# Altium PCB PCB_v3.PcbDoc (part 4 of 7)
Units mil, origin at the board's own origin, x right, y up, seen from the top; angles counter-clockwise.
Board outline 17000 x 5250 mil, 4 copper layers (Top Side, Ground Layer, Power Layer, Bottom Side), stack 33.2 mil thick; 591 components, 525 nets, 2570 pads, 902 vias.
Unrouted connection lines stored in the file: 119.
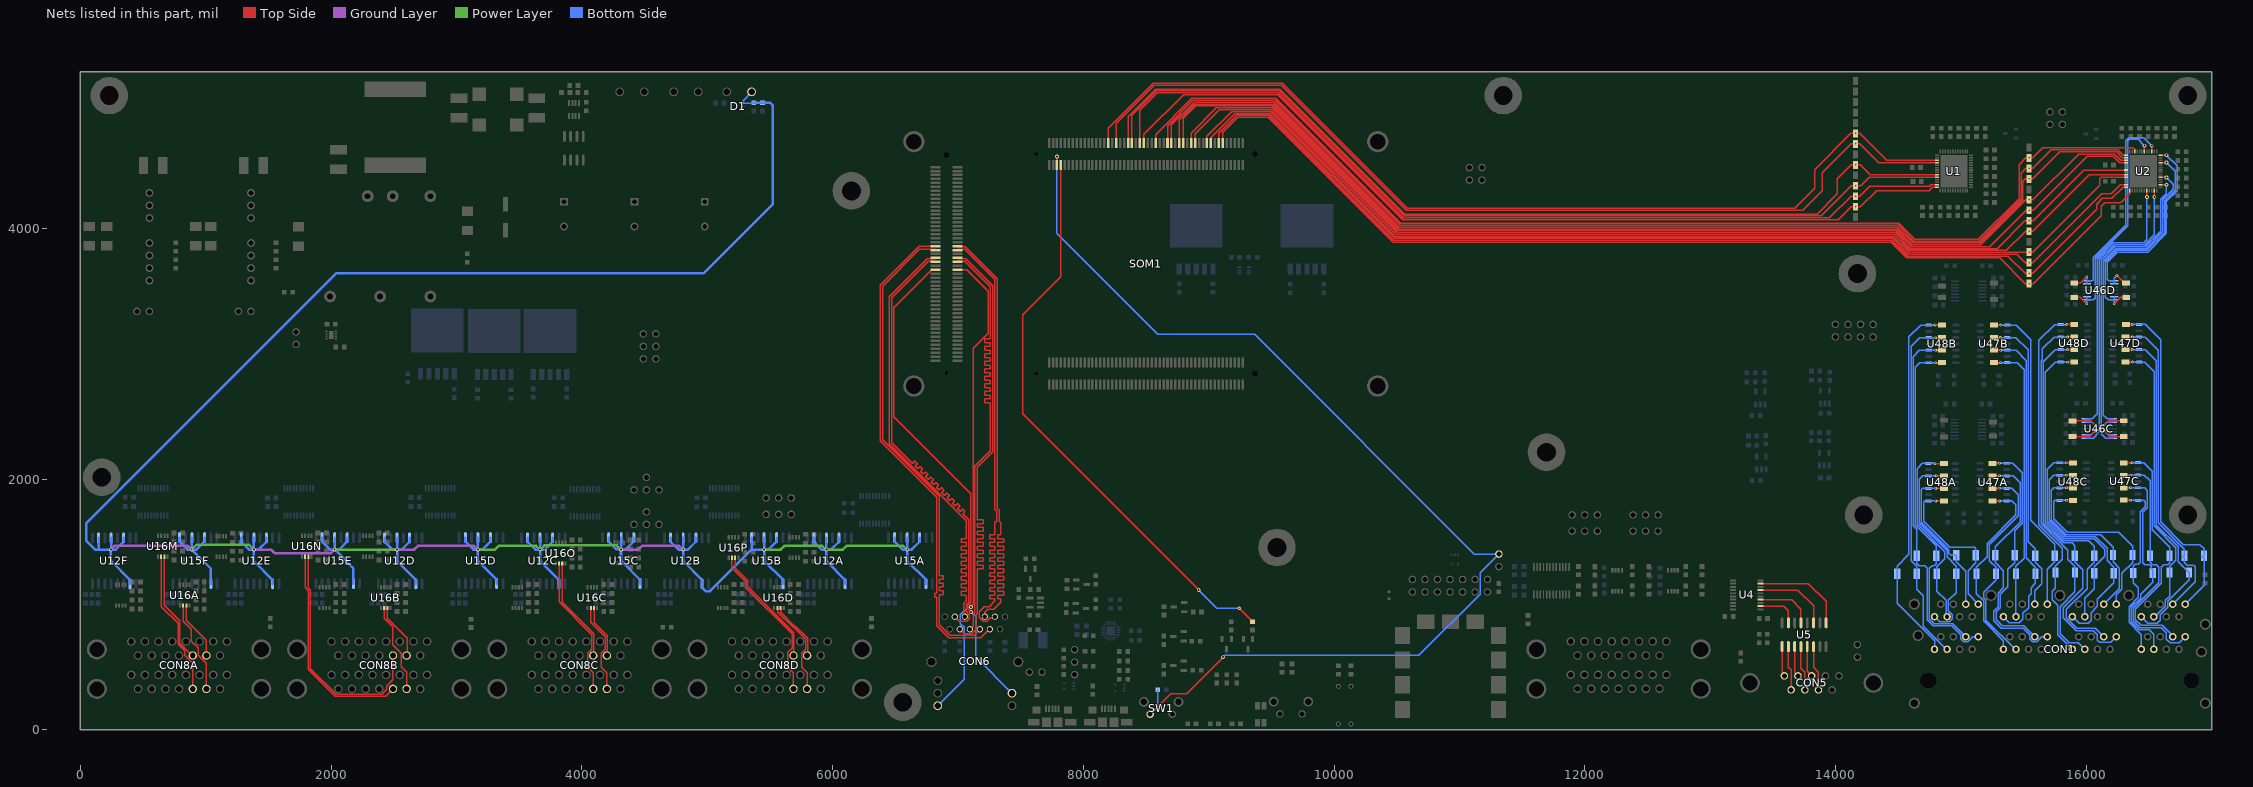
[diagram p6: the nets of this part, all layers, seen from the top]

## Via types
v1: diameter 30, hole 15, Top Side to Bottom Side, 586 vias
v2: diameter 22, hole 12, Top Side to Bottom Side, 248 vias
v3: diameter 25, hole 15, Top Side to Bottom Side, 30 vias
v4: diameter 60, hole 30, Top Side to Bottom Side, 29 vias
v5: diameter 50, hole 28, Top Side to Bottom Side, 7 vias
v6: diameter 40, hole 20, Top Side to Bottom Side, 2 vias

## Nets (pads, with @x,y where several pads share a name; then routed paths per layer and width w, separated by ;. In a path a pad name is that pad's centre, name@x,y a point inside that pad or via, vN(x,y) a via of type N, cw(c..) or ccw(c..) an arc to the next point about the centre after c; other vN are vias at no path point) (continued)
ADC1_SDO3: SOM1.JX1-31 TP21.1 U1.29 | length 7713.9
  Top Side w10: SOM1.JX1-31@8199.09,4680 8199.09,4798.2 8557.89,5157 9586.49,5157 10583.49,4160 13675,4160 13835,4320 13835,4470 14123.5,4758.5 v2(14160,4758.5) 14194.57,4758.5 14407.95,4545.12 U1.29@14809,4545.12
ADC1_SDO4: SOM1.JX1-35 TP22.1 U1.30 | length 7611.3
  Top Side w10: SOM1.JX1-35@8262.09,4680 8262.09,4839.98 8564.1,5142 9580.28,5142 10577.28,4145 13740,4145 13895,4300 13895,4445 14124.94,4674.94 v2(14160,4674.94) 14195.06,4674.94 14344.57,4525.43 U1.30@14809,4525.43
ADC1_SDO5: SOM1.JX1-41 TP23.1 U1.35 | length 7434.9
  Top Side w10: SOM1.JX1-41@8356.57,4680 8356.57,4892.04 8576.53,5112 9567.85,5112 10564.85,4115 13853.11,4115 14015,4276.89 14015,4396.69 14126.12,4507.81 v2(14160,4507.81) 14196.72,4507.81 14277.53,4427.01 U1.35@14809,4427.01
ADC1_SDO6: SOM1.JX1-43 TP24.1 U1.36 | length 7264.2
  Top Side w10: SOM1.JX1-43@8388.07,4680 8388.07,4902.33 8582.74,5097 9561.64,5097 10558.64,4100 13885,4100 14125.69,4340.69 v2(14160,4340.69) 14202.73,4340.69 14269.37,4407.32 U1.36@14809,4407.32
ADC1_SDO7: SOM1.JX1-47 TP25.1 U1.39 | length 7201.2
  Top Side w10: SOM1.JX1-47@8451.06,4680 8451.06,4944.11 8588.96,5082 9555.43,5082 10552.43,4085 13952.43,4085 14124.56,4257.12 v2(14160,4257.12) 14194.6,4257.12 14272.47,4335 14746.45,4335 14759.72,4348.27 U1.39@14809,4348.27
ADC1_SDO8: SOM1.JX1-49 TP26.1 U1.40 | length 7048
  Top Side w10: SOM1.JX1-49@8482.56,4680 8482.56,4750.24 8799.32,5067 9549.21,5067 10546.21,4070 14021.91,4070 14125.48,4173.56 v2(14160,4173.56) 14198.56,4173.56 14327.81,4302.81 14747.23,4302.81 14773,4328.58 U1.40@14809,4328.58
ADC2_CLKOUT: SOM1.JX1-73 TP29.1 U2.33 | length 8347.2
  Top Side w10: SOM1.JX1-73@8860.51,4680 8860.51,4760.51 9062,4962 9505.72,4962 10502.72,3965 14475.23,3965 14600.84,3839.39 15289.39,3839.39 15511.5,4061.5 v2(15545,4061.5) 15576.5,4061.5 15981.38,4466.38 U2.33@16319,4466.38
ADC2_CNV: SOM1.JX1-55 TP27.1 U2.24 | length 8948.2
  Top Side w10: SOM1.JX1-55@8577.05,4680 8577.05,4747.8 8866.24,5037 9536.79,5037 10533.79,4040 14506.29,4040 14631.9,3914.39 15140.75,3914.39 15465.16,4238.8 15465.16,4510.16 15518,4563 v2(15545,4563) 15573,4563 15655,4645 16372.42,4645 16386.1,4631.31 U2.24@16386.1,4612.04
ADC2_IN1: TP11C.1 U2.48 U46C.13 U46C.14 | length 2507.4
  Top Side w10: TP11C.1@15890,2465 16037.54,2465 v2(16073,2429.54) ; v1(16484.53,4250) U2.48@16484.53,4301.04
  Bottom Side w10: v2(16073,2429.54) 16047.41,2455.13 U46C.13@15995.75,2455.13 U46C.14@15995.75,2480.72 16047.24,2480.72 16090,2520 16090,3730 16090,3758.64 16216.36,3885 16459.18,3885 16484.53,3910.35 v1(16484.53,4250)
ADC2_IN2: TP7C.1 U2.51 U46C.8 U46C.9 | length 2695.8
  Top Side w10: TP7C.1@15890.16,2340 16028,2340 v2(16073,2385) ; v1(16543.58,4250) U2.51@16543.58,4301.04
  Bottom Side w10: v2(16073,2385) 16040.77,2352.77 U46C.9@15995.75,2352.77 U46C.8@15995.75,2327.18 16055.64,2327.18 16105,2376.54 16105,2391.7 16105,3730 16105,3752.43 16222.57,3870 16465.39,3870 16543.58,3948.19 v1(16543.58,4250)
ADC2_IN3: TP5D.1 U2.11 U46D.6 U46D.7 | length 1778.6
  Top Side w10: v2(16223.82,3398.82) 16275.17,3450.17 TP5D.1@16320,3450.17 ; U2.11@16591,4525.43 v1(16640,4525.43)
  Bottom Side w10: v2(16223.82,3398.82) U46D.7@16223.82,3429.71 ; U46D.6@16223.82,3455.3 U46D.7@16223.82,3429.71 ; v1(16640,4525.43) 16641.1,4525.43 16710,4456.54 16710,4306.46 16625.16,4221.62 16625.16,3966.13 16484.03,3825 16242.26,3825 16153.48,3736.21 16153.48,3450.51 16174.28,3429.71 U46D.7@16223.82,3429.71
ADC2_IN4: TP1D.1 U2.14 U46D.1 U46D.2 | length 1680.7
  Top Side w10: v2(16245,3625) 16305,3565 TP1D.1@16319,3565 ; U2.14@16591,4584.49 16591.26,4584.74 16639.74,4584.74 v1(16640,4585)
  Bottom Side w10: U46D.2@16223.82,3557.66 U46D.1@16223.82,3583.26 ; v2(16245,3625) 16223.82,3603.82 U46D.1@16223.82,3583.26 ; v1(16640,4585) 16725,4500 16725,4300.25 16640.16,4215.4 16640.16,3959.91 16490.25,3810 16248.48,3810 16168.48,3730 16168.48,3596.72 16181.94,3583.26 U46D.1@16223.82,3583.26
ADC2_IN5: TP7D.1 U2.20 U46D.8 U46D.9 | length 1818.4
  Top Side w10: TP7D.1@15905,3450.17 15953.74,3450.17 v2(16005.31,3398.6) ; U2.20@16464.84,4612.04 16464.92,4612.11 16464.92,4660.43 v1(16465,4660.51)
  Bottom Side w10: v2(16005.31,3398.6) U46D.8@16005.31,3429.71 ; U46D.9@16005.31,3455.3 U46D.8@16005.31,3429.71 ; v1(16465,4660.51) 16415.51,4710 16344.64,4710 16330,4695.36 16330,4019.85 16071.52,3761.38 16071.52,3445 16056.23,3429.71 U46D.8@16005.31,3429.71
ADC2_IN6: TP11D.1 U2.17 U46D.13 U46D.14 | length 1744.8
  Top Side w10: TP11D.1@15905,3565 15955.31,3565 v2(16005.31,3615) ; U2.17@16523.9,4612.04 v1(16523.9,4660.51)
  Bottom Side w10: U46D.13@16005.31,3557.66 U46D.14@16005.31,3583.26 ; v2(16005.31,3615) U46D.14@16005.31,3583.26 ; v1(16523.9,4660.51) 16459.41,4725 16338.43,4725 16315,4701.57 16315,4026.07 16056.52,3767.59 16056.52,3590 16049.78,3583.26 U46D.14@16005.31,3583.26
ADC2_IN7: TP1C.1 U2.5 U46C.1 U46C.2 | length 2713.1
  Top Side w10: v2(16144.02,2430) 16179.89,2465.87 TP1C.1@16300,2465.87 ; U2.5@16591,4407.32 v1(16640,4407.32)
  Bottom Side w10: v2(16144.02,2430) 16144.02,2433.86 16165.29,2455.13 U46C.2@16214.25,2455.13 U46C.1@16214.25,2480.72 16167.76,2480.72 16135,2510 16135,3730 16135,3740 16235,3840 16477.82,3840 16610.16,3972.34 16610.16,4227.83 16695,4312.67 16695,4352.32 v1(16640,4407.32)
ADC2_IN8: TP5C.1 U2.2 U46C.6 U46C.7 | length 2785
  Top Side w10: v2(16144.02,2385) 16189.02,2340 TP5C.1@16300,2340 ; U2.2@16591,4348.27 v1(16640,4348.27)
  Bottom Side w10: v2(16144.02,2385) 16176.25,2352.77 U46C.6@16214.25,2352.77 U46C.7@16214.25,2327.18 16155.44,2327.18 16120,2362.62 16120,2376 16120,3730 16120,3746.21 16228.79,3855 16471.61,3855 16595.16,3978.55 16595.16,4234.04 16640,4278.89 v1(16640,4348.27)
ADC2_SCK: SOM1.JX1-89 TP28.1 U2.41 | length 8285.1
  Top Side w10: SOM1.JX1-89@9112.48,4680 9112.48,4767.01 9232.47,4887 9474.65,4887 10471.65,3890 14444.16,3890 14569.77,3764.39 15309.89,3764.39 15514.28,3560 v2(15545,3560) 15577.35,3560 16120.75,4103.4 16120.75,4177.32 16149.5,4206.07 16276.07,4206.07 16346.73,4276.73 U2.41@16346.73,4301.04
ADC2_SDO1: SOM1.JX1-61 TP30.1 U2.27 | length 8777.8
  Top Side w10: SOM1.JX1-61@8671.54,4680 8671.54,4821.08 8872.46,5022 9530.57,5022 10527.57,4025 14500.08,4025 14625.69,3899.39 15146.97,3899.39 15480.16,4232.59 15480.16,4441.54 15518.04,4479.42 v2(15545,4479.42) 15574.42,4479.42 15721.54,4626.54 16253.58,4626.54 16295.63,4584.49 U2.27@16319,4584.49
ADC2_SDO2: SOM1.JX1-63 TP31.1 U2.28 | length 8709
  Top Side w10: SOM1.JX1-63@8703.03,4680 8703.03,4827.12 8882.91,5007 9524.36,5007 10521.36,4010 14493.87,4010 14619.47,3884.39 15153.18,3884.39 15495.16,4226.37 15495.16,4375.16 15515.83,4395.83 v2(15545,4395.83) 15575.71,4395.83 15789.87,4610 16242.89,4610 16288.08,4564.8 U2.28@16319,4564.8
ADC2_SDO3: SOM1.JX1-67 TP32.1 U2.29 | length 8577.7
  Top Side w10: SOM1.JX1-67@8766.02,4680 8766.02,4868.9 8889.12,4992 9518.15,4992 10515.15,3995 14487.66,3995 14613.26,3869.39 15159.39,3869.39 15518.67,4228.67 v2(15545,4228.67) 15574.84,4228.67 15939.56,4593.39 16229.38,4593.39 16277.65,4545.12 U2.29@16319,4545.12
ADC2_SDO4: SOM1.JX1-69 TP33.1 U2.30 | length 8545.2
  Top Side w10: SOM1.JX1-69@8797.52,4680 8797.52,4879.18 8895.34,4977 9511.93,4977 10508.93,3980 14481.44,3980 14607.05,3854.39 15229.39,3854.39 15520.08,4145.08 v2(15545,4145.08) 15577.76,4145.08 16007.68,4575 16217.89,4575 16267.45,4525.43 U2.30@16319,4525.43
ADC2_SDO5: SOM1.JX1-75 TP34.1 U2.35 | length 8295.5
  Top Side w10: SOM1.JX1-75@8892.01,4680 8892.01,4753.99 9085.02,4947 9499.51,4947 10496.51,3950 14469.02,3950 14594.62,3824.39 15362.71,3824.39 15516.23,3977.92 v2(15545,3977.92) 15575.52,3977.92 16024.61,4427.01 U2.35@16319,4427.01
ADC2_SDO6: SOM1.JX1-81 TP35.1 U2.36 | length 8212.4
  Top Side w10: SOM1.JX1-81@8986.5,4680 8986.5,4734.3 9184.2,4932 9493.29,4932 10490.29,3935 14462.8,3935 14588.41,3809.39 v2(15545,3809.39) TP35.1@15545,3810.75 15575.75,3810.75 16110,4345 16110,4396.57 16120.75,4407.32 U2.36@16319,4407.32
ADC2_SDO7: SOM1.JX1-83 TP36.1 U2.39 | length 8176
  Top Side w10: SOM1.JX1-83@9017.99,4680 9017.99,4725.51 9209.48,4917 9487.08,4917 10484.08,3920 14456.59,3920 14582.2,3794.39 15445.74,3794.39 15512.96,3727.17 v2(15545,3727.17) 15572.58,3727.17 16122.45,4277.04 16201.59,4277.04 16272.82,4348.27 U2.39@16319,4348.27
ADC2_SDO8: SOM1.JX1-87 TP37.1 U2.40 | length 8205.8
  Top Side w10: SOM1.JX1-87@9080.98,4680 9080.98,4760.98 9222,4902 9480.87,4902 10477.87,3905 14450.38,3905 14575.98,3779.39 15376.32,3779.39 15512.13,3643.58 v2(15545,3643.58) 15573.58,3643.58 16085,4155 16085,4195 16129.21,4239.21 16205.14,4239.21 16294.51,4328.58 U2.40@16319,4328.58
ALARMA: U4.2 U5.15 | length 335
  Top Side w10: U4.2@13401.9,987.64 13587.36,987.64 13625,950 U5.15@13625,853.67
ALARMB: U4.4 U5.13 | length 464.4
  Top Side w10: U4.4@13401.9,1038.82 13650.17,1038.82 13725,963.99 U5.13@13725,853.67
ALARMD: U4.9 U5.9 | length 753.1
  Top Side w10: U4.9@13401.9,1166.77 13783.22,1166.77 13925,1024.99 U5.9@13925,853.67
ALARMZ: U4.7 U5.11 | length 611.3
  Top Side w10: U4.7@13401.9,1115.59 13699.24,1115.59 13825,989.83 U5.11@13825,853.67
ANLG_N1: CON1.2A D10A.1 TP12A.1 U48A.10 | length 1268.8
  Top Side w10: v2(14801.67,1926.42) 14802.16,1926.91 TP12A.1@14864.65,1926.91
  Bottom Side w10: v2(14801.67,1926.42) U48A.10@14741.18,1926.42 14696.42,1926.42 14685,1915 14685,1656.8 14905.16,1436.64 14905.16,1410 14922.16,1393 D10A.1@14964.29,1393 14964.29,1340.71 15040.16,1264.84 CON1.2A@15040.16,1002.84 CON1.2A@15040,1003
ANLG_N2: CON1.8A D9A.1 TP9A.1 U48A.12 | length 1646.5
  Top Side w10: v2(14802.16,2026.42) 14863.22,2026.42 TP9A.1@14864.65,2025
  Bottom Side w10: CON1.8A@14790.16,902.84 14830.16,862.84 14906.73,862.84 14930.16,886.27 14930.16,919.41 14900.16,949.41 14900.16,1032.2 14962.87,1094.91 D9A.1@14962.87,1245 14962.87,1307.13 14890.16,1379.84 14890.16,1430.43 14670,1650.58 14670,2001.08 14695.34,2026.42 U48A.12@14741.18,2026.42 v2(14802.16,2026.42)
ANLG_N3: CON1.2B D6B.1 TP6B.1 U47B.10 | length 2409.3
  Top Side w10: TP6B.1@15265,3130 v2(15314.52,3130)
  Bottom Side w10: v2(15314.52,3130) 15370.06,3130 U47B.10@15370.77,3129.29 15439.88,3129.29 15538.29,3030.88 15538.29,1501.71 15594.29,1445.71 D6B.1@15594.29,1390 15594.29,1335.71 15645,1285 15645,1164.97 15590.16,1110.12 CON1.2B@15590.16,1002.84
ANLG_N4: CON1.8B D5B.1 TP3B.1 U47B.12 | length 2613.9
  Top Side w10: TP3B.1@15265,3030 15319.78,3030 v2(15320.48,3029.29)
  Bottom Side w10: v2(15320.48,3029.29) U47B.12@15370.77,3029.29 15440.71,3029.29 15523.29,2946.71 15523.29,1371.71 15595.71,1299.29 D5B.1@15595.71,1245 15595.71,1170.71 15560,1135 15560,1085 15540.16,1065.16 15540.16,975.16 15495,930 15495,884 15466,855 15388,855 CON1.8B@15340.16,902.84
ANLG_N5: CON1.2E D9B.1 TP9B.1 U48B.12 | length 2813.5
  Top Side w10: v2(14800.96,3128.81) 14802.16,3130 TP9B.1@14850,3130
  Bottom Side w10: v2(14800.96,3128.81) U48B.12@14745.18,3128.81 14674.26,3128.81 14604,3058.54 14604,1348.43 14647.8,1304.62 D9B.1@14647.8,1245 14647.8,1122.2 14699.16,1070.84 14699.16,827.43 14883.59,643 CON1.2E@14890.16,643
ANLG_N6: CON1.8E D10B.1 TP12B.1 U48B.10 | length 2939
  Top Side w10: v2(14801.48,3028.81) 14801.67,3029 TP12B.1@14850,3029
  Bottom Side w10: v2(14801.48,3028.81) U48B.10@14745.18,3028.81 14670.26,3028.81 14619,2977.55 14619,1629.46 14649.29,1599.17 D10B.1@14649.29,1390 14649.29,1329.17 14668.46,1310 14711.93,1310 14732.16,1289.77 14732.16,878.82 14781.13,829.84 14927.86,829.84 15000.16,757.54 15000.16,726.43 15023.59,703 15056.73,703 15096.73,743 CON1.8E@15140.16,743
ANLG_N7: CON1.2F D5A.1 TP3A.1 U47A.12 | length 1741.2
  Top Side w10: TP3A.1@15253.19,1926.42 15309.52,1926.42 v2(15310,1926.91) ; CON1.2F@15430.59,652.57 CON1.2F@15440.16,643
  Bottom Side w10: v2(15310,1926.91) U47A.12@15366.77,1926.91 15407.68,1926.91 15457.29,1877.3 15457.29,1707.29 15228,1478 15228,1349.9 15280.71,1297.19 D5A.1@15280.71,1245 15280.71,1197.82 15182,1099.11 15182,1054.3 15200,1036.3 15200,876.59 15433.59,643 CON1.2F@15440.16,643
ANLG_N8: CON1.8F D6A.1 TP6A.1 U47A.10 | length 2042.7
  Top Side w10: TP6A.1@15253.19,2026.42 15308.09,2026.42 v2(15308.58,2026.91) ; CON1.8F@15681.66,751.5 CON1.8F@15684.71,748.45 ; CON1.8F@15684.71,737.55 CON1.8F@15684.71,748.45 ; CON1.8F@15684.71,751.93 CON1.8F@15684.71,748.45 ; CON1.8F@15690.16,743 CON1.8F@15684.71,748.45
  Bottom Side w10: v2(15308.58,2026.91) U47A.10@15366.77,2026.91 15418.25,2026.91 15472.29,1972.87 15472.29,1657.29 15274.29,1459.29 D6A.1@15274.29,1393 15274.29,1335.87 15340.16,1270 15340.16,1133.52 15297,1090.36 15297,982.46 15262.71,948.16 15262.71,871.84 15324.54,810 15497.7,810 15550.16,757.54 15550.16,726.43 15573.59,703 15606.73,703 15646.73,743 CON1.8F@15690.16,743
ANLG_N9: CON1.2C D10C.1 TP12C.1 U48C.10 | length 1526.7
  Top Side w10: v2(15842.87,1931.06) 15843.94,1930 TP12C.1@15895,1930
  Bottom Side w10: v2(15842.87,1931.06) U48C.10@15787.72,1931.06 15741.06,1931.06 15722,1912 15722,1677.54 15842.54,1557 16115,1557 16214.29,1457.71 D10C.1@16214.29,1395 16214.29,1340.71 16265,1290 16265,1127.68 CON1.2C@16140.16,1002.84
ANLG_N10: CON1.8C D9C.1 TP9C.1 U48C.12 | length 1933
  Top Side w10: v2(15841.81,2031.06) 15893.94,2031.06 TP9C.1@15895,2030
  Bottom Side w10: v2(15841.81,2031.06) U48C.12@15787.72,2031.06 15741.06,2031.06 15707,1997 15707,1671.33 15836.33,1542 16073,1542 16167.46,1447.54 16167.46,1351.28 16220.87,1297.87 D9C.1@16220.87,1250 16220.87,1174.56 16090,1043.69 16090,985 16040.16,935.16 16040.16,875.16 16015,850 15943,850 CON1.8C@15890.16,902.84
ANLG_N11: CON1.2D D6D.1 TP6D.1 U47D.10 | length 2565
  Top Side w10: TP6D.1@16315,3135 16315.92,3134.08 v2(16366.9,3134.08)
  Bottom Side w10: v2(16366.9,3134.08) U47D.10@16422.87,3134.08 16470.92,3134.08 16575.29,3029.71 16575.29,1651.87 16784.29,1442.87 D6D.1@16784.29,1390.39 ; CON1.2D@16690.16,1002.84 16870,1182.68 16870,1301.29 16856.29,1315 16806.06,1315 16782.6,1338.46 16782.6,1372.08 D6D.1@16764.29,1390.39
ANLG_N12: CON1.8D D5D.1 TP3D.1 U47D.12 | length 2737.8
  Top Side w10: TP3D.1@16315,3035 16315.92,3034.08 v2(16367.33,3034.08)
  Bottom Side w10: v2(16367.33,3034.08) U47D.12@16422.87,3034.08 16470.92,3034.08 16560.29,2944.71 16560.29,1634.16 16733,1461.46 16733,1343.09 D5D.1@16820.87,1255.23 16820.87,1195.87 16650.16,1025.16 16650.16,977.96 16590.16,917.96 16590.16,874.37 16566.62,850.83 16492.17,850.83 CON1.8D@16440.16,902.84
ANLG_N13: CON1.2G D9D.1 TP9D.1 U48D.12 | length 2980.2
  Top Side w10: v2(15853.6,3133.6) 15855.21,3135.21 TP9D.1@15905,3135.21
  Bottom Side w10: v2(15853.6,3133.6) U48D.12@15797.28,3133.6 15743.6,3133.6 15650,3040 15650,2951.21 15641,2942.21 15641,1643.99 15852,1432.99 15852,1363 15910.71,1304.29 D9D.1@15910.71,1255 15910.71,1101.83 15793,984.12 15793,767 15865,695 15938.16,695 CON1.2G@15990.16,643
ANLG_N14: CON1.8G D10D.1 TP12D.1 U48D.10 | length 3118.3
  Top Side w10: v2(15851.4,3033.6) 15903.6,3033.6 TP12D.1@15905,3035
  Bottom Side w10: v2(15851.4,3033.6) U48D.10@15797.28,3033.6 15753.6,3033.6 15656,2936 15656,1650.21 15815.21,1491 15888.76,1491 15909.29,1470.47 15909.29,1390.16 D10D.1@15909.45,1390 15909.45,1340.55 15974.49,1275.51 15974.49,1129.49 15818,973 15818,892.98 15918.98,792 16056.16,792 16090,758.16 16090,716.16 16107.26,698.9 16196.06,698.9 CON1.8G@16240.16,743
ANLG_N15: CON1.2H D5C.1 TP3C.1 U47C.12 | length 1728.8
  Top Side w10: TP3C.1@16300,1930 16352.22,1930 v2(16353.77,1931.55)
  Bottom Side w10: v2(16353.77,1931.55) U47C.12@16413.31,1931.55 16466.05,1931.55 16488,1909.6 16488,1772.54 16450,1734.54 16450,1335 16466.08,1318.92 16504.87,1318.92 16517.5,1306.29 16517.5,1291.18 16530.71,1277.97 D5C.1@16530.71,1252 16530.71,1178 16435,1082.29 16435,1051.47 16360,976.47 16360,864.21 16424.37,799.84 16505,799.84 16540.16,764.68 CON1.2H@16540.16,643
ANLG_N16: CON1.8H D6C.1 TP6C.1 U47C.10 | length 2015.3
  Top Side w10: TP6C.1@16300,2030 16353.77,2030 v2(16355.32,2031.55)
  Bottom Side w10: v2(16355.32,2031.55) U47C.10@16413.31,2031.55 16463.61,2031.55 16509.29,1985.87 D6C.1@16509.29,1390 16509.29,1335.71 16526.08,1318.92 16558.95,1318.92 16580,1297.87 16580,1175.26 16375,970.26 16375,870.43 16430.58,814.84 16600.16,814.84 16640.16,774.84 16640.16,723.9 16669.06,695 16742.16,695 CON1.8H@16790.16,743
ANLG_P1: CON1.1A D10A.2 TP10A.1 U48A.8 | length 1329.5
  Top Side w10: v2(14801.19,1826.42) 14801.67,1826.91 TP10A.1@14864.65,1826.91
  Bottom Side w10: v2(14801.19,1826.42) U48A.8@14741.18,1826.42 14709.42,1826.42 14703,1820 14703,1664.25 14912.25,1455 15109.49,1455 15120,1444.49 D10A.2@15120,1393 15120,1332.9 15058.16,1271.05 15058.16,1084.84 CON1.1A@15140.16,1002.84
ANLG_P2: CON1.7A D9A.2 TP8A.1 U48A.14 | length 1566.3
  Top Side w10: v2(14791.83,2123.47) 14863.11,2123.47 TP8A.1@14864.65,2125
  Bottom Side w10: v2(14791.83,2123.47) 14788.88,2126.42 U48A.14@14741.18,2126.42 14693.42,2126.42 14652,2085 14652,1643.13 14872.16,1422.97 14872.16,1365.73 14807.16,1300.73 D9A.2@14807.16,1245 14807.16,1107.84 14882.16,1032.84 14882.16,910.84 CON1.7A@14890.16,902.84
ANLG_P3: CON1.1B D6B.2 TP4B.1 U47B.8 | length 2555.2
  Top Side w10: TP4B.1@15265,3229.7 15315.3,3229.7 v2(15315.71,3229.29)
  Bottom Side w10: v2(15315.71,3229.29) U47B.8@15370.77,3229.29 15440.71,3229.29 15556.29,3113.71 15556.29,1673.47 15750,1479.76 D6B.2@15750,1390 15750,1342.19 15690.16,1282.34 CON1.1B@15690.16,1002.84
ANLG_P4: CON1.7B D5B.2 TP2B.1 U47B.14 | length 2262.2
  Top Side w10: TP2B.1@15265,2930 15315,2930 v2(15315.71,2929.29)
  Bottom Side w10: v2(15315.71,2929.29) U47B.14@15370.77,2929.29 15450.71,2929.29 15505.29,2874.71 15505.29,1370.29 15440,1305 D5B.2@15440,1245 15440.16,1244.84 CON1.7B@15440.16,902.84
ANLG_P5: CON1.1E D9B.2 TP8B.1 U48B.14 | length 2958.4
  Top Side w10: v2(14795,3230) 14795.3,3229.7 TP8B.1@14850,3229.7
  Bottom Side w10: CON1.1E@14790.16,643 14790.16,710.98 14492.1,1009.04 D9B.2@14492.1,1245 14492.1,1307.1 14586,1401 14586,3136 14678.81,3228.81 U48B.14@14745.18,3228.81 14793.81,3228.81 v2(14795,3230)
ANLG_P6: CON1.7E D10B.2 TP10B.1 U48B.8 | length 2700.1
  Top Side w10: v2(14800.96,2928.81) 14802.16,2930 TP10B.1@14850,2930 ; CON1.7E@15040.16,743 CON1.7E@15049.66,752.5
  Bottom Side w10: v2(14800.96,2928.81) U48B.8@14745.18,2928.81 14674.26,2928.81 14637,2891.54 14637,1636.91 14805,1468.91 D10B.2@14805,1390 14805,1326 14789,1310 14770.51,1310 14750.16,1289.65 14750.16,886.27 14788.59,847.84 14935.32,847.84 CON1.7E@15040.16,743
ANLG_P7: CON1.1F D5A.2 TP2A.1 U47A.14 | length 1584.8
  Top Side w10: TP2A.1@15253.19,1826.42 15310,1826.42 v2(15310.48,1826.91) ; CON1.1F@15340.16,643 CON1.1F@15349.72,652.57
  Bottom Side w10: v2(15310.48,1826.91) U47A.14@15366.77,1826.91 15408.09,1826.91 15439.29,1795.71 15439.29,1714.75 15210,1485.46 15210,1381 15125,1296 D5A.2@15125,1245 15125,1085.84 15182,1028.84 15182,869.13 15340.16,710.98 CON1.1F@15340.16,643
ANLG_P8: CON1.7F D6A.2 TP4A.1 U47A.8 | length 1920.4
  Top Side w10: TP4A.1@15253.19,2125 15255.1,2126.91 v2(15308.09,2126.91) ; CON1.7F@15598.66,751.5 CON1.7F@15590.16,743 CON1.7F@15599.34,733.82
  Bottom Side w10: v2(15308.09,2126.91) U47A.8@15366.77,2126.91 15415.38,2126.91 15490.29,2052 15490.29,1649.84 15430,1589.54 D6A.2@15430,1393 15430,1334.62 15375,1279.62 15375,1142.91 15315,1082.91 15315,975 15280.71,940.71 15280.71,879.29 15330,830 15503.16,830 CON1.7F@15590.16,743 CON1.7F@15589.11,743
ANLG_P9: CON1.1C D10C.2 TP10C.1 U48C.8 | length 1537.3
  Top Side w10: v2(15843.94,1831.06) 15845,1830 TP10C.1@15895,1830 ; CON1.1C@16234.94,1002.84 CON1.1C@16240.16,1002.84
  Bottom Side w10: v2(15843.94,1831.06) U48C.8@15787.72,1831.06 15751.06,1831.06 15740,1820 15740,1685 15850,1575 16260,1575 16370,1465 D10C.2@16370,1395 16370,1335.24 16283,1248.24 16283,1120.23 16240.16,1077.39 CON1.1C@16240.16,1002.84
ANLG_P10: CON1.7C D9C.2 TP8C.1 U48C.14 | length 1806.8
  Top Side w10: v2(15840.75,2131.06) 15841.81,2130 TP8C.1@15895,2130 ; CON1.7C@15985,908 CON1.7C@15990.16,902.84
  Bottom Side w10: v2(15840.75,2131.06) U48C.14@15787.72,2131.06 15741.06,2131.06 15689,2079 15689,1663.88 15828.88,1524 16065.54,1524 16149.46,1440.08 16149.46,1384.46 16065.16,1300.16 D9C.2@16065.16,1250 16065.16,1125.16 15990.16,1050.16 CON1.7C@15990.16,902.84
ANLG_P11: CON1.1D D6D.2 TP4D.1 U47D.8 | length 2725.5
  Top Side w10: TP4D.1@16319,3235 16366.55,3235 v2(16367.47,3234.08)
  Bottom Side w10: v2(16367.47,3234.08) U47D.8@16422.87,3234.08 16470.45,3234.08 16593.29,3111.24 16593.29,1659.32 16773.81,1478.81 16906.19,1478.81 16940,1445 D6D.2@16940,1390.39 ; CON1.1D@16790.16,1002.84 16940,1152.68 16940,1370.39 D6D.2@16920,1390.39
ANLG_P12: CON1.7D D5D.2 TP2D.1 U47D.14 | length 2376.3
  Top Side w10: TP2D.1@16315,2935 16315.92,2934.08 v2(16370.5,2934.08) ; CON1.7D@16530,913 CON1.7D@16540.16,902.84
  Bottom Side w10: v2(16370.5,2934.08) U47D.14@16422.87,2934.08 16465.92,2934.08 16542.29,2857.71 16542.29,1626.71 16715,1454 16715,1355 16665.16,1305.16 D5D.2@16665.16,1255.23 16665.16,1066.63 16632.16,1033.63 16632.16,988.27 16546.73,902.84 CON1.7D@16540.16,902.84
ANLG_P13: CON1.1G D9D.2 TP8D.1 U48D.14 | length 2976.5
  Top Side w10: v2(15843.6,3233.6) 15845,3235 TP8D.1@15905,3235
  Bottom Side w10: v2(15843.6,3233.6) U48D.14@15797.28,3233.6 15748.6,3233.6 15623,3108 15623,1636.54 15810,1449.54 15810,1360 15755,1305 D9D.2@15755,1255 15755,1129.11 15730,1104.11 15730,1037.84 15775,992.84 15775,758.16 CON1.1G@15890.16,643
ANLG_P14: CON1.7G D10D.2 TP10D.1 U48D.8 | length 2954.7
  Top Side w10: v2(15853.6,2933.6) 15855,2935 TP10D.1@15905,2935
  Bottom Side w10: v2(15853.6,2933.6) U48D.8@15797.28,2933.6 15753.6,2933.6 15674,2854 15674,1657.66 15822.66,1509 16019.54,1509 16065.54,1463 16065.54,1390.39 D10D.2@16065.16,1390 16065.16,1338.54 16007.2,1280.58 16007.2,1126.46 15842.54,961.8 15842.54,893.89 15926.43,810 16073.16,810 CON1.7G@16140.16,743
ANLG_P15: CON1.1H D5C.2 TP2C.1 U47C.14 | length 1498.3
  Top Side w10: TP2C.1@16300,1835 16303.45,1831.55 v2(16352.71,1831.55) ; CON1.1H@16440.16,643 CON1.1H@16443.16,640
  Bottom Side w10: v2(16352.71,1831.55) U47C.14@16413.31,1831.55 16458.45,1831.55 16470,1820 16470,1780 16432,1742 16432,1337 16415,1320 16391.08,1320 16375,1303.92 D5C.2@16375,1252 16375,1172.6 16415,1132.6 16415,1056.93 16342,983.93 16342,856.76 16440.16,758.6 CON1.1H@16440.16,643
ANLG_P16: CON1.7H D6C.2 TP4C.1 U47C.8 | length 1985.9
  Top Side w10: TP4C.1@16300,2130 16365,2130 v2(16366.55,2131.55)
  Bottom Side w10: v2(16366.55,2131.55) U47C.8@16413.31,2131.55 16458.45,2131.55 16527.29,2062.71 16527.29,1594.87 16665,1457.16 D6C.2@16665,1390 16665,1335 16648.92,1318.92 16618.92,1318.92 16598,1298 16598,1167.8 16393,962.8 16393,877.88 16438.04,832.84 16607.61,832.84 16690.16,750.3 CON1.7H@16690.16,743
CARRIER_SRST_N: C50.2 JP9.1 SOM1.JX1-6 SW1.1 | length 8898.2
  Top Side w10: SOM1.JX1-6@7789.65,4506.77 v1(7789.65,4575) ; SW1.1@8532.83,124.98 8697.85,290 8824.64,290 v1(9114.64,580)
  Bottom Side w10: v1(7789.65,4575) 7789.65,3960.9 8594.91,3155.63 9367.34,3155.63 11120.07,1402.89 JP9.1@11315,1402.89 11165,1252.89 11165,1083.43 10676.57,595 9129.64,595 v1(9114.64,580) ; SW1.1@8532.83,124.98 8593.59,185.74 C50.2@8593.59,320
DRIVE_EN: C51.2 CON2.2 D1.1 R17.2 U12A.2 U12A.4 U12A.6 U12A.10 U12B.2 U12B.4 U12B.6 U12B.10 U12C.2 U12C.4 U12C.6 U12C.10 U12D.2 U12D.4 U12D.6 U12D.10 U12E.2 U12E.4 U12E.6 U12E.10 U12F.2 U12F.4 U12F.6 U12F.10 U15A.2 U15A.4 U15A.6 U15A.10 U15B.2 U15B.4 U15B.6 U15B.10 U15C.2 U15C.4 U15C.6 U15C.10 U15D.2 U15D.4 U15D.6 U15D.10 U15E.2 U15E.4 U15E.6 U15E.10 U15F.2 U15F.4 U15F.6 U15F.10 | length 23486.5
  Ground Layer w20: v1(242.31,1437.6) 274.71,1470 854.91,1470 v1(887.31,1437.6) ; v1(1383.84,1437.6) 1520.88,1437.6 1550.88,1407.6 1996.14,1407.6 2026.14,1437.6 v1(2028.84,1437.6) ; v1(2525.38,1437.6) 2660.88,1437.6 2690.88,1467.6 3137.67,1467.6 3167.67,1437.6 v1(3170.38,1437.6) ; v1(4311.91,1437.6) 4450.88,1437.6 4480.88,1467.6 4775.74,1467.6 4805.74,1437.6 v1(4808.45,1437.6)
  Power Layer w20: v1(887.31,1437.6) 926.77,1477.06 1344.38,1477.06 v1(1383.84,1437.6) ; v1(2028.84,1437.6) v1(2525.38,1437.6) ; v1(3170.38,1437.6) 3305.88,1437.6 3335.88,1467.6 3634.21,1467.6 3664.21,1437.6 v1(3666.91,1437.6) 3701.38,1472.06 4277.45,1472.06 v1(4311.91,1437.6) ; v1(5453.45,1437.6) 5585.88,1437.6 5615.88,1467.6 5917.28,1467.6 5947.28,1437.6 v1(5949.98,1437.6) 6080.88,1437.6 6110.88,1467.6 6562.28,1467.6 6592.28,1437.6 v1(6594.98,1437.6)
  Bottom Side w10: CON2.2@5356.85,5090 5285.58,5018.73 D1.1@5285.58,5000.59 C51.2@5367.13,5000.59
  Bottom Side w20: U12F.2@144.63,1532.09 144.63,1437.6 ; U12F.4@244.63,1532.09 243.94,1531.39 243.94,1439.23 v1(242.31,1437.6) ; U12F.6@344.63,1532.09 344.63,1500.59 281.64,1437.6 v1(242.31,1437.6) ; U12F.10@394.63,1165.16 394.63,1196.65 242.31,1348.98 v1(242.31,1437.6) ; U15F.2@789.63,1533.62 789.63,1502.13 853.15,1438.6 886.3,1438.6 v1(887.31,1437.6) ; U15F.4@889.63,1533.62 888.94,1532.93 888.94,1463.73 887.81,1462.6 887.81,1438.1 v1(887.31,1437.6) ; U15F.6@989.63,1533.62 989.63,1502.13 925.1,1437.6 v1(887.31,1437.6) ; U15F.10@1039.63,1166.69 1039.63,1285.28 v1(887.31,1437.6) ; U12E.2@1282.7,1532.09 1282.7,1500.59 1344.55,1438.74 v1@1382.7,1438.74 ; U12E.4@1382.7,1532.09 1383.2,1531.58 1383.2,1439.24 v1@1382.7,1438.74 ; v1(1383.84,1437.6) 1383.84,1345.51 1532.7,1196.65 U12E.10@1532.7,1165.16 ; U12E.6@1482.7,1532.09 1482.7,1500.59 1420.85,1438.74 v1@1382.7,1438.74 ; U15E.2@1927.7,1533.62 1927.7,1502.13 1991.09,1438.74 v1@2027.7,1438.74 ; U15E.4@2027.7,1533.62 2028.2,1533.12 2028.2,1439.24 v1@2027.7,1438.74 ; v1(2028.84,1437.6) 2177.7,1288.74 U15E.10@2177.7,1166.69 ; U15E.6@2127.7,1533.62 2127.7,1502.13 2064.31,1438.74 v1@2027.7,1438.74 ; U12D.2@2425.38,1532.09 2425.38,1500.59 2487.87,1438.1 2524.88,1438.1 v1(2525.38,1437.6) ; U12D.4@2525.38,1532.09 v1(2525.38,1437.6) ; U12D.6@2625.38,1532.09 2625.38,1500.59 2562.89,1438.1 2525.88,1438.1 v1(2525.38,1437.6) ; U12D.10@2675.38,1165.16 2675.38,1196.65 2525.38,1346.65 v1(2525.38,1437.6) ; U15D.2@3070.38,1533.62 3070.38,1502.13 3134.4,1438.1 3169.88,1438.1 v1(3170.38,1437.6) ; U15D.4@3170.38,1533.62 v1(3170.38,1437.6) ; U15D.6@3270.38,1533.62 3270.38,1502.13 3206.35,1438.1 3170.88,1438.1 v1(3170.38,1437.6) ; U15D.10@3320.38,1166.69 3320.38,1198.19 3170.38,1348.19 v1(3170.38,1437.6) ; U12C.2@3566.91,1532.09 3566.91,1500.59 3629.4,1438.1 3666.41,1438.1 v1(3666.91,1437.6) ; U12C.4@3666.91,1532.09 v1(3666.91,1437.6) ; U12C.6@3766.91,1532.09 3766.91,1500.59 3704.42,1438.1 3667.42,1438.1 v1(3666.91,1437.6) ; U12C.10@3816.91,1165.16 3816.91,1196.65 3666.91,1346.65 v1(3666.91,1437.6) ; U15C.2@4213.84,1533.62 4213.84,1502.13 4276.46,1439.51 4310,1439.51 v1(4311.91,1437.6) ; U15C.4@4313.84,1533.62 4313.32,1533.1 4313.32,1439.01 v1(4311.91,1437.6) ; U15C.6@4413.84,1533.62 4413.84,1502.13 4349.31,1437.6 v1(4311.91,1437.6) ; U15C.10@4463.84,1166.69 4463.84,1197.73 4311.91,1349.66 v1(4311.91,1437.6) ; U12B.2@4708.45,1532.09 4708.45,1500.59 4770.94,1438.1 4807.95,1438.1 v1(4808.45,1437.6) ; U12B.4@4808.45,1532.09 v1(4808.45,1437.6) ; U12B.6@4908.45,1532.09 4908.45,1500.59 4845.96,1438.1 4808.95,1438.1 v1(4808.45,1437.6) ; U15B.2@5353.45,1533.62 5353.8,1533.27 5353.8,1437.6 ; C51.2@5367.13,5000.59 C51.2@5370,5003.46 R17.2@5440,5003.46 5500.86,5003.46 5524,4980.33 5524,4195.94 4969,3640.94 2038.65,3640.94 46.95,1649.24 46.95,1507 116.35,1437.6 144.63,1437.6 ; U15B.4@5453.45,1533.62 v1(5453.45,1437.6) ; U15B.6@5553.45,1533.62 5553.45,1502.13 5489.42,1438.1 5453.95,1438.1 v1(5453.45,1437.6) ; U15B.10@5603.45,1166.69 5603.45,1198.19 5453.45,1348.19 v1(5453.45,1437.6) ; U12A.2@5849.98,1532.09 5849.98,1500.59 5912.47,1438.1 5949.48,1438.1 v1(5949.98,1437.6) ; U12A.4@5949.98,1532.09 v1(5949.98,1437.6) ; U12A.6@6049.98,1532.09 6049.98,1500.59 5987.49,1438.1 5950.49,1438.1 v1(5949.98,1437.6) ; U12A.10@6099.98,1165.16 6099.98,1196.65 5949.98,1346.65 v1(5949.98,1437.6) ; U15A.2@6494.98,1533.62 6494.98,1502.13 6559.01,1438.1 6594.48,1438.1 v1(6594.98,1437.6) ; U15A.4@6594.98,1533.62 v1(6594.98,1437.6) ; U15A.6@6694.98,1533.62 6694.98,1502.13 6630.96,1438.1 6595.49,1438.1 v1(6594.98,1437.6) ; U15A.10@6744.98,1166.69 6744.98,1198.19 6594.98,1348.19 v1(6594.98,1437.6) ; 144.63,1437.6 v1(242.31,1437.6) ; v1(4808.45,1437.6) 4808.45,1346.65 4958.45,1196.65 U12B.10@4958.45,1165.16 4958.45,1134.64 4986.24,1106.85 5023.05,1106.85 5353.8,1437.6 ; 5353.8,1437.6 v1(5453.45,1437.6)
ENC_A: CON5.5 U5.1 | length 240.8
  Top Side w10: U5.1@13575,664.69 13575,447.8 CON5.5@13591.89,430.91
ENC_A\: CON5.9 U5.2 | length 354.5
  Top Side w10: U5.2@13625,664.69 13625,500 13646.42,478.58 CON5.9@13646.42,319.09
ENC_B: CON5.4 U5.3 | length 244.5
  Top Side w10: U5.3@13675,664.69 13675,456.85 CON5.4@13700.94,430.91
ENC_B\: CON5.8 U5.4 | length 358.2
  Top Side w10: U5.4@13725,664.69 13725,489.89 13755.47,459.42 CON5.8@13755.47,319.09
ENC_Z: CON5.3 U5.5 | length 248.3
  Top Side w10: U5.5@13775,664.69 13775,465.91 CON5.3@13810,430.91
ENC_Z\: CON5.7 U5.6 | length 362
  Top Side w10: U5.6@13825,664.69 13825,500 13864.53,460.47 CON5.7@13864.53,319.09
ETH_MD1_N: CON6.10 SOM1.JX3-53 | length 3897.4
  Top Side w10: SOM1.JX3-53@6821.69,3765.13 6816.69,3760.13 6781.58,3760.13 6780.84,3759.38 6755.01,3759.38 6451.31,3455.67 6451.31,2282.78 7067,1667.09 7067,1640 7067,1528 7064,1525 7030.36,1525 7027.36,1522 7027.36,1498 7030.36,1495 7064,1495 7067,1492 7067,1468 7064,1465 7030.36,1465 7027.36,1462 7027.36,1438 7030.36,1435 7064,1435 7067,1432 7067,1408 7064,1405 7030.36,1405 7027.36,1402 7027.36,1378 7030.36,1375 7064,1375 7067,1372 7067,1348 7064,1345 7030.36,1345 7027.36,1342 7027.36,1318 7030.36,1315 7064,1315 7067,1312 7067,1288 7064,1285 7030.36,1285 7027.36,1282 7027.36,1258 7030.36,1255 7064,1255 7067,1252 7067,1228 7064,1225 7030.36,1225 7027.36,1222 7027.36,1198 7030.36,1195 7064,1195 7067,1192 7067,1168 7064,1165 7030.36,1165 7027.36,1162 7027.36,1138 7030.36,1135 7064,1135 7067,1132 7067,1108 7064,1105 7030.36,1105 7027.36,1102 7027.36,1078 7030.36,1075 7064,1075 7067,1072 7067,1060 7067,1028.27 7045,1006.27 7045,937.07 7048.74,933.34 7048.74,909.29 CON6.10@7055,903.03
ETH_MD1_P: CON6.11 SOM1.JX3-51 | length 3892
  Top Side w10: SOM1.JX3-51@6821.69,3733.63 6816.69,3738.63 6781.58,3738.63 6780.84,3739.38 6763.3,3739.38 6471.31,3447.39 6471.31,2291.07 6626.19,2136.19 6634.67,2127.7 6638.91,2127.7 6652.96,2141.75 6657.2,2141.75 6674.17,2124.78 6674.17,2120.53 6660.13,2106.49 6660.13,2102.25 6677.1,2085.27 6681.34,2085.27 6695.39,2099.32 6699.63,2099.32 6716.6,2082.35 6716.6,2078.11 6702.55,2064.06 6702.55,2059.82 6719.52,2042.85 6723.77,2042.85 6737.81,2056.89 6742.06,2056.89 6759.03,2039.92 6759.03,2035.68 6744.98,2021.64 6744.98,2017.39 6761.95,2000.42 6766.19,2000.42 6780.24,2014.47 6784.48,2014.47 6801.45,1997.5 6801.45,1993.25 6787.41,1979.21 6787.41,1974.97 6804.38,1958 6808.62,1958 6822.67,1972.04 6826.91,1972.04 6843.88,1955.07 6843.88,1950.83 6829.83,1936.78 6829.83,1932.54 6846.8,1915.57 6851.05,1915.57 6865.09,1929.62 6869.33,1929.62 6886.31,1912.64 6886.31,1908.4 6872.26,1894.36 6872.26,1890.11 6889.23,1873.14 6893.47,1873.14 6907.52,1887.19 6911.76,1887.19 6928.73,1870.22 6928.73,1865.98 6914.69,1851.93 6914.69,1847.69 6931.66,1830.72 6935.9,1830.72 6949.94,1844.76 6954.19,1844.76 6971.16,1827.79 6971.16,1823.55 6957.11,1809.5 6957.11,1805.26 6974.08,1788.29 6978.33,1788.29 6992.37,1802.34 6996.61,1802.34 7013.58,1785.37 7013.58,1781.12 6999.54,1767.08 6999.54,1762.83 7016.51,1745.86 7020.75,1745.86 7034.8,1759.91 7039.04,1759.91 7056.01,1742.94 7056.01,1738.7 7041.97,1724.65 7041.97,1720.41 7052.37,1710 7087,1675.37 7087,1019.98 7065,997.98 7065,945.36 7090,920.36 7090,888.53 7069.5,868.03 7010,868.03 CON6.11@6975,903.03
ETH_MD2_N: CON6.5 SOM1.JX3-54 | length 3923
  Top Side w10: SOM1.JX3-54@6994.92,3765.13 6999.92,3760.13 7035.03,3760.13 7035.78,3759.38 7061.6,3759.38 7279,3541.98 7279,2219.5 7155,2095.5 7155,1740 7155,1678 7158,1675 7197.9,1675 7200.9,1672 7200.9,1648 7197.9,1645 7158,1645 7155,1642 7155,1618 7158,1615 7197.9,1615 7200.9,1612 7200.9,1588 7197.9,1585 7158,1585 7155,1582 7155,1558 7158,1555 7197.9,1555 7200.9,1552 7200.9,1528 7197.9,1525 7158,1525 7155,1522 7155,1498 7158,1495 7197.9,1495 7200.9,1492 7200.9,1468 7197.9,1465 7158,1465 7155,1462 7155,1438 7158,1435 7197.9,1435 7200.9,1432 7200.9,1408 7197.9,1405 7158,1405 7155,1402 7155,1378 7158,1375 7197.9,1375 7200.9,1372 7200.9,1348 7197.9,1345 7158,1345 7155,1342 7155,1318 7158,1315 7197.9,1315 7200.9,1312 7200.9,1288 7197.9,1285 7158,1285 7155,1282 7155,1255 7155,1240 7155,926.36 7140.08,911.44 7140.08,798.61 7109.5,768.03 7050.08,768.03 CON6.5@7015.08,803.03
ETH_MD2_P: CON6.4 SOM1.JX3-52 | length 3910.9
  Top Side w10: SOM1.JX3-52@6994.92,3733.63 6999.92,3738.63 7035.03,3738.63 7035.78,3739.38 7053.32,3739.38 7259,3533.7 7259,3150 7259,3123 7256,3120 7216.29,3120 7213.29,3117 7213.29,3093 7216.29,3090 7256,3090 7259,3087 7259,3063 7256,3060 7216.29,3060 7213.29,3057 7213.29,3033 7216.29,3030 7256,3030 7259,3027 7259,3003 7256,3000 7216.29,3000 7213.29,2997 7213.29,2973 7216.29,2970 7256,2970 7259,2967 7259,2943 7256,2940 7216.29,2940 7213.29,2937 7213.29,2913 7216.29,2910 7256,2910 7259,2907 7259,2883 7256,2880 7216.29,2880 7213.29,2877 7213.29,2853 7216.29,2850 7256,2850 7259,2847 7259,2823 7256,2820 7216.29,2820 7213.29,2817 7213.29,2793 7216.29,2790 7256,2790 7259,2787 7259,2763 7256,2760 7216.29,2760 7213.29,2757 7213.29,2733 7216.29,2730 7256,2730 7259,2727 7259,2703 7256,2700 7216.29,2700 7213.29,2697 7213.29,2673 7216.29,2670 7256,2670 7259,2667 7259,2643 7256,2640 7216.29,2640 7213.29,2637 7213.29,2613 7216.29,2610 7256,2610 7259,2607 7259,2595 7259,2227.78 7135,2103.78 7135,934.64 7120.08,919.72 7120.08,826.24 7096.87,803.03 CON6.4@7095,803.03
ETH_MD3_N: CON6.2 SOM1.JX3-59 | length 3996.9
  Top Side w10: SOM1.JX3-59@6816.69,3854.62 SOM1.JX3-59@6821.69,3859.62 6690.29,3859.62 6379.67,3548.99 6379.67,2304.92 6830,1854.59 6830,1210 6830,1093 6827,1090 6819.69,1090 6816.69,1087 6816.69,1063 6819.69,1060 6827,1060 6830,1057 6830,1045 6830,830.33 6927.3,733.03 7180,733.03 7250,803.03 CON6.2@7255.08,803.03
ETH_MD3_P: CON6.3 SOM1.JX3-57 | length 3992.5
  Top Side w10: SOM1.JX3-57@6821.69,3828.12 6816.69,3833.12 6781.58,3833.12 6780.84,3833.87 6692.83,3833.87 6399.67,3540.71 6399.67,2313.21 6850,1862.88 6850,1500 6850,1233 6853,1230 6879.07,1230 6882.07,1227 6882.07,1203 6879.07,1200 6853,1200 6850,1197 6850,1173 6853,1170 6879.07,1170 6882.07,1167 6882.07,1143 6879.07,1140 6853,1140 6850,1137 6850,1113 6853,1110 6879.07,1110 6882.07,1107 6882.07,1083 6879.07,1080 6853,1080 6850,1077 6850,1050 6850,1035 6850,838.61 6935.58,753.03 7130.49,753.03 CON6.3@7180.49,803.03
ETH_MD4_N: CON6.9 SOM1.JX3-60 | length 3979.3
  Top Side w10: SOM1.JX3-60@6994.92,3859.62 6999.92,3854.62 7034.03,3854.62 7035.78,3852.87 7059.77,3852.87 7312,3600.64 7312,1767.09 7327.54,1751.55 7327.54,1665.86 7333.39,1660 7335,1660 7340,1655 7340,1558 7337,1555 7318.69,1555 7315.69,1552 7315.69,1528 7318.69,1525 7340,1525 7361.31,1525 7364.31,1522 7364.31,1498 7361.31,1495 7340,1495 7318.69,1495 7315.69,1492 7315.69,1468 7318.69,1465 7340,1465 7361.31,1465 7364.31,1462 7364.31,1438 7361.31,1435 7340,1435 7318.69,1435 7315.69,1432 7315.69,1408 7318.69,1405 7340,1405 7361.31,1405 7364.31,1402 7364.31,1378 7361.31,1375 7340,1375 7318.69,1375 7315.69,1372 7315.69,1348 7318.69,1345 7340,1345 7361.31,1345 7364.31,1342 7364.31,1318 7361.31,1315 7340,1315 7318.69,1315 7315.69,1312 7315.69,1288 7318.69,1285 7340,1285 7361.31,1285 7364.31,1282 7364.31,1258 7361.31,1255 7340,1255 7318.69,1255 7315.69,1252 7315.69,1228 7318.69,1225 7340,1225 7361.31,1225 7364.31,1222 7364.31,1198 7361.31,1195 7340,1195 7318.69,1195 7315.69,1192 7315.69,1168 7318.69,1165 7340,1165 7361.31,1165 7364.31,1162 7364.31,1138 7361.31,1135 7340,1135 7318.69,1135 7315.69,1132 7315.69,1108 7318.69,1105 7340,1105 7361.31,1105 7364.31,1102 7364.31,1078 7361.31,1075 7340,1075 7318.69,1075 7315.69,1072 7315.69,1048 7318.69,1045 7337,1045 7340,1042 7340,1030 7340,1017.07 7285.96,963.03 7239.17,963.03 7213.28,937.14 7213.28,903.03 CON6.9@7215,903.03
ETH_MD4_P: CON6.8 SOM1.JX3-58 | length 3987.7
  Top Side w10: SOM1.JX3-58@6994.92,3828.12 6999.92,3833.12 7034.03,3833.12 7035.78,3834.87 7052.32,3834.87 7294,3593.18 7294,1759.63 7309.54,1744.1 7309.54,1665.86 7303.68,1660 7295,1660 7295,1558 7292,1555 7258.52,1555 7255.52,1552 7255.52,1528 7258.52,1525 7292,1525 7295,1522 7295,1498 7292,1495 7258.52,1495 7255.52,1492 7255.52,1468 7258.52,1465 7292,1465 7295,1462 7295,1438 7292,1435 7258.52,1435 7255.52,1432 7255.52,1408 7258.52,1405 7292,1405 7295,1402 7295,1378 7292,1375 7258.52,1375 7255.52,1372 7255.52,1348 7258.52,1345 7292,1345 7295,1342 7295,1318 7292,1315 7258.52,1315 7255.52,1312 7255.52,1288 7258.52,1285 7292,1285 7295,1282 7295,1258 7292,1255 7258.52,1255 7255.52,1252 7255.52,1228 7258.52,1225 7292,1225 7295,1222 7295,1198 7292,1195 7258.52,1195 7255.52,1192 7255.52,1168 7258.52,1165 7292,1165 7295,1162 7295,1138 7292,1135 7258.52,1135 7255.52,1132 7255.52,1108 7258.52,1105 7292,1105 7295,1102 7295,1078 7292,1075 7258.52,1075 7255.52,1072 7255.52,1048 7258.52,1045 7292,1045 7295,1042 7295,1030 7248.03,983.03 7210.15,983.03 7170,942.88 7170,898.53 7200.5,868.03 7229.5,868.03 7256.84,895.38 7287.35,895.38 CON6.8@7295,903.03
ETH_PHY_LED0: CON6.13 SOM1.JX3-47 | length 3945.2
  Top Side w10: SOM1.JX3-47@6821.69,3670.64 6791.69,3670.64 6780.2,3659.15 6777.55,3659.15 6486.31,3367.9 6486.31,2498.68 7102,1882.99 7102,1013.77 7080,991.77 7080,965.71 v1(7105.36,940.36)
  Bottom Side w10: v1(7105.36,940.36) 7140.08,905.63 7140.08,583.95 CON6.13@7431,293.03
ETH_PHY_LED1: CON6.17 SOM1.JX3-48 | length 3827.2
  Top Side w10: SOM1.JX3-48@6994.92,3670.64 7069.71,3670.64 7240,3500.36 7240,3164.93 7120,3044.93 7120,1000.41 7105,985.41 v1(7105,980)
  Bottom Side w10: CON6.17@6839,193.03 7050.08,404.11 7050.08,817.53 7020,847.61 7020,917.53 7078.64,976.17 7101.17,976.17 v1(7105,980)
FLT_DESAT1: CON8A.10A U16A.7 | length 465.4
  Top Side w10: U16A.7@844.41,992.11 844.41,875.69 1004.5,715.6 CON8A.10A@1004.5,593
FLT_DESAT2: CON8A.10B U16A.6 | length 742
  Top Side w10: U16A.6@818.82,992.11 818.82,867.72 884.5,802.04 884.5,708.98 939,654.48 939,596.98 1004.5,531.48 CON8A.10B@1004.5,327
FLT_DESAT3: CON8B.10A U16B.7 | length 445.9
  Top Side w10: U16B.7@2448.65,972.11 2448.65,888.74 2605.83,731.55 2605.83,597 CON8B.10A@2601.83,593
FLT_DESAT4: CON8B.10B U16B.6 | length 719.2
  Top Side w10: U16B.6@2423.06,972.11 2423.06,890.8 2490,823.85 2490,679.35 2558.33,611.02 2558.33,504.5 2601.83,461 CON8B.10B@2601.83,327
FLT_DESAT5: CON8C.10A U16C.7 | length 424.9
  Top Side w10: U16C.7@4096.56,972.11 4096.56,856.07 4203.17,749.46 4203.17,597 CON8C.10A@4199.17,593
FLT_DESAT6: CON8C.10B U16C.6 | length 725.1
  Top Side w10: U16C.6@4070.97,972.11 4070.97,860.45 4188.17,743.25 4188.17,643.52 4155.67,611.02 4155.67,498.47 4199.17,454.97 CON8C.10B@4199.17,327
FLT_DESAT7: CON8D.10A U16D.7 | length 473.8
  Top Side w10: U16D.7@5584.41,972.11 5584.41,939.24 5691.05,832.6 5697.13,832.6 5800.5,729.23 5800.5,597 CON8D.10A@5796.5,593
FLT_DESAT8: CON8D.10B U16D.6 | length 774
  Top Side w10: U16D.6@5558.82,972.11 5562.09,968.84 5562.09,940.34 5684.83,817.6 5690.92,817.6 5785.5,723.02 5785.5,643.52 5753,611.02 5753,498.47 5796.5,454.97 CON8D.10B@5796.5,327
FLT_TEMP1: CON8A.11A U16M.7 | length 885.1
  Top Side w10: U16M.7@669.41,1382.11 669.41,995.24 793.23,871.42 793.23,691.25 891.48,593 CON8A.11A@895.5,593
FLT_TEMP2: CON8A.11B U16M.6 | length 1159.4
  Top Side w10: U16M.6@643.82,1382.11 643.82,983.49 778.23,849.08 778.23,685.04 830,633.27 830,596.98 895.5,531.48 CON8A.11B@895.5,327
FLT_TEMP3: CON8B.11A U16N.7 | length 1900.2
  Top Side w10: U16N.7@1818.29,1382.11 1818.29,1132.49 1832.83,1117.94 1832.83,489.48 2038.82,283.5 2401.85,283.5 2441.89,323.54 2441.89,347.33 2492.83,398.27 CON8B.11A@2492.83,593
FLT_TEMP4: CON8B.11B U16N.6 | length 1697.4
  Top Side w10: U16N.6@1792.7,1382.11 1792.7,1136.86 1817.83,1111.73 1817.83,483.27 2032.6,268.5 2434.33,268.5 CON8B.11B@2492.83,327
FLT_TEMP5: CON8C.11A U16O.7 | length 839.6
  Top Side w10: U16O.7@3843.43,1327.11 3843.43,1016.66 4094.17,765.92 4094.17,597 CON8C.11A@4090.17,593
FLT_TEMP6: CON8C.11B U16O.6 | length 1139.8
  Top Side w10: U16O.6@3817.83,1327.11 3817.83,1021.04 4079.17,759.7 4079.17,643.52 4046.67,611.02 4046.67,498.47 4090.17,454.97 CON8C.11B@4090.17,327
FLT_TEMP7: CON8D.11A U16P.7 | length 974.6
  Top Side w10: U16P.7@5222.59,1371.67 5222.59,1290.31 5323.84,1189.06 5323.84,1141.58 5691.5,773.92 5691.5,597 CON8D.11A@5687.5,593
FLT_TEMP8: CON8D.11B U16P.6 | length 1274.8
  Top Side w10: U16P.6@5197,1371.67 5197,1294.68 5308.84,1182.84 5308.84,1135.37 5676.5,767.71 5676.5,650.53 5644,618.03 5644,500.85 5687.5,457.35 CON8D.11B@5687.5,327
FPGA_DONE: R19.2 SOM1.JX1-8 | length 4633
  Top Side w10: SOM1.JX1-8@7821.14,4506.77 7821.14,3615 7516.54,3310.39 7516.54,2520.13 v1(8920,1116.67) ; v1(9243.46,970) R19.2@9350,863.46
  Bottom Side w10: v1(8920,1116.67) 8920,1115.83 9065.83,970 v1(9243.46,970)